# Allegro board gps_interface_boardv53ph.brd (continued)
## Nets (continued)
SFP_TD_P_SFP INTERFACE_SFP6: C255.2 J21.18 R226.2 R228.1
SPARE_BNC_CONN_0: IC2.2 P1.1 R109.1 TP79.1(TP)
SPARE_BNC_CONN_1: IC2.3 P1.3 R108.1 TP78.1(TP)
SPARE_LEMO_CONN_0: IC1.2 P1.5 R105.1 TP77.1(TP)
SPARE_LEMO_CONN_1: IC1.3 P1.7 R104.1 TP76.1(TP)
SPARE_RJ45_CM: C127.1 C128.1 C129.1 J17.P1 R116.1 R117.1 TP27.1(TP)
SQUELCH: R2687.1 U104.27
SS_2V5: C85.1 C2710.1 U12.13 U101.13
SS_3V3_1: C65.1 U9.13
SS_3V3_2: C76.1 U11.13
SS_5V: C57.1 U7.13
SYNC_OUT_N: R16.1 U3.3
SYNC_OUT_P: R15.1 U3.2
TEMP_ADDR: R253.1 U46.5 U46.6 U46.7
THRADJ: C2733.2 R2686.2 U104.9
VP2V5: R58.1 R2667.1 R2668.2 TP763.1(TP) U13.11
VP3V3: R52.2 R53.1 R54.1 U10.11
VP3V5: C49.1 C50.1 C51.1 C60.1 C61.1 C70.1 C71.1 C77.1 C78.1 C2650.1 C2660.1 L6.2 R41.1 TP11.1(TP) U6.1 U9.14 U9.15 U9.16 U9.17 U11.14 U11.15 U11.16 U11.17 U12.14 U12.15 U12.16 U12.17 U101.14 U101.15 U101.16 U101.17
VP5V: C54.1 C55.1 C56.1 C58.2 R45.1 R46.1 R2669.2 TP15.1(TP) U7.1 U7.19 U7.20 U8.11 U8.12(VDD)
VP5V5: C52.1 C53.1 C88.1 R2660.2 TP760.1(TP) U7.14 U7.15 U7.16 U7.17 U100.F3 U100.F4 U100.F5 U100.G3 U100.G4 U100.G5 U100.H3 U100.H4 U100.H5(VOUT_8)
VP12V: C40.1 C42.1 C43.1 C44.1 C87.1 FL1.2 TP9.1(TP) U6.4 U6.5 U6.6 U6.21 U6.22 U6.23(VIN6) U6.25 U100.A1 U100.A4 U100.A5 U100.B4 U100.B5
VREF: C2734.1 U104.3(VREF)
N00534: C1.1 R2.2 R4.1
N00638: C3.1 U1.4
N01450: C2732.1 U104.14
N01454: C2732.2 U104.15
N01590: R9.1 U1.7
N02604: C5.1 R10.2 R265.2 R266.1 U47.1
N02878: R10.1 U47.5
N89867: R21.2 U48.25
N89871: R20.2 U48.4
N89889: R22.2 U48.3
N89893: R19.2 U48.48
N89897: R19.1 R20.1 R21.1 R22.1
N90109: R26.2 U48.19
N90113: R25.2 U48.17
N90529: R23.2 U48.11
N91101: C36.1 U48.59
N91105: C37.1 U48.58
N107878: R24.2 U48.39
N127138: C1.2 U1.3
N140138: C2711.1 L6.1 U6.12 U6.13 U6.14 U6.15 U6.16
N146225: C62.1 C63.1 C64.1 R52.1 TP17.1(TP) U9.1 U9.2(SNS) U9.19 U9.20
N146320: R63.1 U9.6
N146332: R65.1 U9.11
N146446: R64.1 U9.10
N179430: C34.1 U48.51
N179442: C35.1 U48.50
N180853: C34.2 J100.3(SIG)
N180901: C35.2 J101.3(SIG)
N185241: C72.1 C73.1 C75.1 R54.2 U11.1 U11.2(SNS) U11.19 U11.20
N222361: D42.1(K) R2689.1 R2691.1
N222457: D43.2 R2689.2 U106.4(Y)
N222469: D43.1(CATHODE) R2690.1
N224400: J18.2 R166.2 U32.1 U53.16
N224404: J18.8 R167.2 U32.2 U53.15
N224432: J19.2 R187.2 U36.1 U53.20
N224436: J19.8 R188.2 U36.2 U53.19
N224464: J20.2 R208.2 U40.1 U52.7
N224468: J20.8 R209.2 U40.2 U52.6
N224492: J21.2 R229.2 U44.1 U52.11
N224496: J21.8 R230.2 U44.2 U52.10
N245271: D5.2 Q4.2(S)
N245311: D5.1(K) R51.1
N245859: D4.2 Q3.2(S)
N245899: D4.1(K) R44.1
N246142: D6.2 Q5.2(S)
N246182: D6.1(K) R57.1
N266416: J14.2 R145.2 U28.1 U53.11
N266420: J14.8 R146.2 U28.2 U53.10
N279924: C79.1 C80.1 C83.1 R2668.1 U12.1 U12.2(SNS) U12.19 U12.20
N280018: D7.2 Q6.2(S)
N280022: D7.1(K) R62.1
N304882: C17.1 U6.2
N322365: R70.1 U9.5
N322369: R112.1 U9.7
N322373: R113.1 U9.9
N323562: R114.1 U11.5
N323566: R115.1 U11.6
N323570: R118.1 U11.7
N323574: R255.1 U11.9
N323578: R256.1 U11.10
N323582: R257.1 U11.11
N325169: R259.1 U12.6
N325173: R260.1 U12.7
N325177: R261.1 U12.9
N325181: R262.1 U12.10
N325185: R263.1 U12.11
N325191: R258.1 U12.5
N339027: D2.2 Q1.2(S) R32.1
N339674: D1.1(CATHODE) R32.2 R33.1
N339693: D2.1(K) R34.1
N350589: J15.1 R110.1
N350593: J16.1 R111.1
N351209: J13.2 R124.2 U24.1 U53.7
N351234: J13.8 R125.2 U24.2 U53.6
N352210: J11.1 R106.1
N352214: J12.1 R107.1
N361011: J30.8 R2677.2 U53.4 U105.2
N361478: J30.2 R2676.2 U53.5 U105.1
N361490: U53.9 U104.16 U106.1
N361502: U53.8 U104.22 U106.2
N437368: J17.P6 J17.P7 J17.P8 J17.P9 R254.2
N437754: J17.P12 R43.2
N437768: J17.P13 R39.2
N575036: R93.1 U19.1
N575058: R94.1 U19.2
N575080: R95.1 U19.21
N576735: R81.1 U17.8
N576751: R82.1 U18.8
N635255: D8.2 Q7.2(S)
N635295: D8.1(K) R37.1
N637994: D15.2 Q12.2(S)
N638034: D15.1(CATHODE) R80.1
N638123: Q12.1 U15.4
N638285: R78.2 R79.1 U15.3
N638693: D14.2 Q11.2(S)
N638733: D14.1(K) R74.1
N665913: C123.2 R254.1
N716600: U107.2(VT) U107.3
N717829: C2748.1 U107.10
N717833: C2747.1 U107.9
N727253: C2749.1 C2750.1 L22.1 R2694.2 R2695.2 Y2.6(VDD)
N755066: C277.1 Y1.4
N755111: C276.2 R1540.1 U48.8
N755152: C277.2 R1540.2 U48.9(XB)
N755804: R2670.1 Y1.1
N755834: R1550.2 Y1.2
N755912: L19.1 R1550.1 R2670.2 Y1.6(VDD)
N764207: R2694.1 Y2.1
N764211: R2695.1 Y2.2
N804236: R2640.1 U100.B1
N804492: R2650.1 U100.A2
N808323: C2670.1 C2680.1 C2690.1 R2667.2 U101.1 U101.2(SNS) U101.19 U101.20
N808573: R2661.1 U101.5
N808577: R2662.1 U101.6
N808581: R2663.1 U101.7
N808585: R2664.1 U101.9
N808589: R2665.1 U101.10
N808593: R2666.1 U101.11
N811210: C2711.2 U6.11
N812156: R2669.1 U7.2(SNS)
N812455: C276.1 Y1.5

Pads without a net: J8 C8 C19 C22 C23 D29 D30 D31 D33 D35 G28 G33 G34 H1 H2; U2 1 4 6; U3 1 4 6; U6 27 28 29; U7 5 6 7 9 10 11 12; U8 9; U9 12; U10 2 9; U11 12; U12 12; U13 9; U15 5; U17 6 9; U22 13 16; U26 13 16; U30 13 16; U34 13 16; U38 13 16; U42 13 16; U47 6; U48 5 7 10 20 21 53 54 55 56; U49 7; U52 4 5 8 9 19; U53 13 14 17 18; U101 12; U102 2 3 7

## Via types
v1: diameter 0.914, hole 0.406, TOP to BOTTOM, 1488 vias

## Routing (per net, layer and track width the routed paths; a pad name or vN(x,y) marks a point on that pad's centre or on a via; arc(x,y) is an arc through that point)
12V_FANS: length 18.2
  TOP w1.27: F2.2 17.07,8.76 arc(16.61,9.88) 15.49,10.34 J28.2
  BOTTOM w0.17: C3714.1 C3713.1
  BOTTOM w0.635: J28.2 13.64,10.31 11.5,10.31 C3713.1
  BOTTOM w1.27: J27.2 5.89,127.23 C3712.1 C3715.1
GND_POWER: length 619.7
  TOP w0.165: C2723.1 C2728.2 v1(142.95,66.57) ; R57.2 v1(50.04,109.93) ; U104.17 134.79,67.86 arc(134.34,67.67) 134.16,67.23 C2729.2 C2724.1 133.87,65.07 arc(133.62,65.03) 133.42,64.89 v1(132.99,64.47) ; C271.1 v1(200.69,8.43) ; C2746.2 v1(135.13,87.55) ; R2691.2 v1(129.29,97.28) ; U106.3 v1(145.41,92.23) ; R44.2 v1(15.19,31.37) ; R17.2 v1(46.07,127.8) ; 13.39,48.11 13.38,48.11 U6.18 ; C270.1 v1(215.92,7.42) ; v1(80.24,15.93) 80.1,15.78 arc(79.96,15.69) 79.81,15.66 C108.2 ; U104.7 v1(136.29,74.11) ; v1(136.29,74.11) 136.55,73.85 arc(136.73,73.59) 136.79,73.27 U104.6 ; v1(136.29,74.11) 136.03,73.85 arc(135.85,73.59) 135.79,73.27 U104.8 ; U7.18 12.83,67.49 ; U104.13 137.13,70.06 arc(137.28,70.09) 137.4,70.17 v1(137.54,70.31) 137.03,70.82 arc(136.76,70.99) 136.45,71.06 U104.11 ; C112.2 v1(102.88,36.2) ; U6.9 13.38,43.03 13.39,43.03 ; U9.8 v1(44.25,82.55) ; v1(135.25,62.59) 135.19,62.65 R2688.2 ; R2687.2 v1(145.06,69.14) ; C2727.2 C2731.2 C2722.1 C2726.1 v1(146.91,74.73) ; C119.2 v1(286.46,27.33) ; C113.2 v1(98.4,117.68) ; v1(110.49,72.19) R25.1 ; C18.1 124.91,82.75 arc(125.01,82.73) 125.1,82.68 125.2,82.58 v1(125.35,82.58) ; U9.18 44.25,80.26 ; R26.1 v1(112.01,72.16) ; U6.20 12.38,47.83 arc(12.4,47.93) 12.47,48.03 12.57,48.13 ; U107.14 140.2,91.27 arc(140.35,91.3) 140.48,91.38 v1(140.61,91.52) 140.48,91.65 arc(140.35,91.74) 140.2,91.77 U107.15 ; 13.89,43 13.88,43.01 U6.10 ; v1(130.05,68.33) C2725.1 C2730.2 ; U6.19 12.88,48.15 12.88,48.16 ; C107.2 126.06,22.28 v1(126.24,22.1) ; C115.2 v1(280.29,26.19) ; v1(110.17,127.7) R2685.2 110.17,124.41 R2684.2 ; U6.8 12.88,42.63 12.88,42.62 ; U6.24 10.38,46.71 arc(10.35,46.54) 10.25,46.39 v1(10.09,46.23) ; C2733.1 v1(132.77,74.32) ; v1(138.96,66.47) 138.96,66.67 arc(138.94,66.77) 138.89,66.85 138.87,66.87 arc(138.81,66.96) 138.79,67.05 U104.23 ; 13.87,48.11 13.88,48.09 U6.17 ; U6.3 10.38,42.92 arc(10.36,42.83) 10.31,42.74 10.21,42.65 ; C2743.2 v1(140.97,95.45) ; U107.6 135.89,91.77 arc(135.75,91.74) 135.62,91.65 v1(135.48,91.52) 135.62,91.38 arc(135.75,91.3) 135.89,91.27 U107.7 ; C2734.2 v1(139.65,75.2) ; U11.8 44.22,99.87 ; C2742.1 v1(133.63,87.53) ; C272.1 v1(23.95,90.42) ; U105.3 v1(120.74,121.93) ; U7.8 12.83,72.24 ; 136.25,8.76 C100.2 ; C2745.2 v1(135.13,95.45) ; R14.2 v1(11.76,126.44) ; R2686.1 v1(133.73,74.02) ; C2739.1 v1(142.49,95.45) ; R18.2 v1(38.27,127.6) ; C2744.2 v1(140.97,87.55) ; U12.8 44.27,67.01 ; U12.18 44.27,62.26 ; U101.8 44.27,49 ; C2741.1 v1(133.63,95.45) ; C2740.1 v1(142.49,87.55) ; U6.7 12.38,43.02 arc(12.41,42.87) 12.49,42.75 12.62,42.62
  TOP w0.17: R207.2 v1(191.74,87.27) ; R189.2 v1(214.05,80.14) ; v1(239.88,83.13) 239.75,83.27 arc(239.63,83.35) 239.48,83.37 U30.9 ; U34.9 210.27,83.37 arc(210.42,83.35) 210.54,83.27 v1(210.67,83.13) ; U22.9 283.86,83.27 arc(284,83.24) 284.12,83.16 v1(284.25,83.03) ; U38.9 187.97,83.37 arc(188.11,83.35) 188.23,83.27 v1(188.37,83.13) ; U42.9 165.85,83.37 arc(165.99,83.35) 166.11,83.27 v1(166.24,83.13) ; R231.2 v1(169.62,80.14) ; U26.9 261.79,83.37 arc(261.93,83.35) 262.05,83.27 v1(262.18,83.13) ; R147.2 v1(265.56,80.14) ; R186.2 v1(214.05,87.27) ; R165.2 v1(243.26,87.27) ; R144.2 v1(265.56,87.27) ; R228.2 v1(169.62,87.27) ; R123.2 v1(287.63,87.17) ; R210.2 v1(191.74,80.14) ; R168.2 v1(243.26,80.14) ; R126.2 v1(287.63,80.04)
  TOP w0.203: v1(24.66,59.49) 24.86,59.68 arc(24.98,59.87) 25.03,60.09 U8.4 ; J14.11 v1(258.42,112.08) ; U52.12 v1(205.59,19.79) ; v1(207.67,118.54) 207.89,118.76 arc(208.03,118.97) 208.07,119.21 J19.9 ; v1(110.72,36.55) 111.04,36.23 arc(111.26,35.9) 111.33,35.52 U17.7 ; J30.17 138.81,112.92 arc(138.89,113.31) 139.11,113.64 v1(139.47,114) ; R264.2 v1(68.21,137.92) ; J18.20 v1(244.86,112.08) ; R267.2 v1(14.69,136.02) ; R79.2 v1(84.84,6.07) ; J18.1 v1(244.47,120.28) ; J20.14 187.77,112.85 arc(187.7,113.24) 187.48,113.57 187.05,114 v1(187.01,114) ; J18.9 237.31,119.21 arc(237.26,118.97) 237.12,118.76 v1(236.91,118.54) ; v1(242.37,114) 242.01,113.64 arc(241.79,113.31) 241.71,112.92 J18.17 ; J19.20 v1(215.62,112.08) ; J21.20 v1(171.2,112.08) ; R72.1 65.97,12.6 arc(65.83,12.62) 65.72,12.7 65.7,12.73 arc(65.58,12.8) 65.45,12.83 v1(65.1,12.83) ; R248.2 212.66,12.94 arc(212.42,12.89) 212.22,12.75 v1(211.96,12.5) ; J13.9 281.68,119.26 arc(281.63,119.02) 281.5,118.81 v1(281.28,118.59) ; J20.11 v1(184.58,112.08) ; U13.4 v1(56.47,54.05) ; J14.9 259.61,119.21 arc(259.56,118.97) 259.42,118.76 v1(259.21,118.54) ; J19.17 212.47,112.92 arc(212.55,113.31) 212.77,113.64 v1(213.13,114) ; U6.30 8.52,45.32 arc(8.37,45.35) 8.23,45.44 8.05,45.62 ; R13.2 v1(20.65,127.52) ; v1(57.51,54.08) 57.22,54.36 arc(57.04,54.64) 56.97,54.97 U13.5 ; J21.11 v1(162.46,112.08) ; v1(62.12,137.03) 62.39,136.76 arc(62.57,136.49) 62.63,136.18 U47.3 ; R104.2 v1(285.38,15.91) ; J21.10 v1(162.1,120.28) ; J13.17 286.08,112.97 arc(286.16,113.36) 286.38,113.69 v1(286.74,114.05) ; J13.14 283.68,112.9 arc(283.61,113.29) 283.39,113.62 282.96,114.05 v1(282.92,114.05) ; R49.1 v1(22.61,59.26) ; R253.2 v1(24.88,88.1) ; R1.2 v1(83.85,129.72) ; J21.17 168.05,112.92 arc(168.13,113.31) 168.35,113.64 v1(168.71,114) ; v1(185.37,118.54) 185.59,118.76 arc(185.72,118.97) 185.77,119.21 J20.9 ; J14.14 261.61,112.85 arc(261.53,113.24) 261.31,113.57 260.88,114 v1(260.85,114) ; R108.2 v1(292.37,15.86) ; v1(66.67,81.05) U10.5 U10.4 66.34,80.55 v1(66.7,80.19) ; J30.10 v1(132.87,120.28) ; J14.1 v1(266.78,120.28) ; C101.2 129.25,9.05 arc(129.31,9.35) 129.48,9.61 v1(130.18,10.3) ; J13.20 v1(289.23,112.13) ; v1(78.59,135.33) 79.14,134.78 arc(79.29,134.56) 79.34,134.31 U1.5 ; v1(108.18,36.17) 107.94,35.93 arc(107.79,35.7) 107.74,35.43 U18.9 ; v1(238.54,114) 238.58,114 239.01,113.57 arc(239.23,113.24) 239.31,112.85 J18.14 ; R268.2 v1(41.01,137.08) ; U15.2 v1(88.49,4.55) ; J13.1 v1(288.85,120.33) ; J13.11 v1(280.49,112.13) ; J14.17 264.01,112.92 arc(264.09,113.31) 264.31,113.64 v1(264.67,114) ; R105.2 v1(280.78,15.86) ; v1(190.83,114) 190.47,113.64 arc(190.25,113.31) 190.17,112.92 J20.17 ; J18.11 v1(236.12,112.08) ; J20.1 v1(192.94,120.28) ; v1(209.31,114) 209.35,114 209.78,113.57 arc(210,113.24) 210.07,112.85 J19.14 ; R249.2 v1(225.35,10.62) ; v1(137.79,10.3) 136.25,8.76 ; J30.20 v1(141.96,112.08) ; J13.10 v1(280.14,120.33) ; J19.11 v1(206.88,112.08) ; J21.14 165.65,112.85 arc(165.57,113.24) 165.35,113.57 164.92,114 v1(164.88,114) ; U53.12 v1(221.82,19.89) ; R9.2 v1(75.18,132.6) ; J18.10 v1(235.76,120.28) ; J21.9 163.65,119.21 arc(163.6,118.97) 163.46,118.76 v1(163.25,118.54) ; J30.11 v1(133.22,112.08) ; v1(25.9,59.47) 25.7,59.67 arc(25.57,59.86) 25.53,60.08 U8.5 ; U19.12 91.06,106.74 arc(90.76,106.68) 90.51,106.51 v1(90.25,106.25) ; J19.1 v1(215.24,120.28) ; J14.20 v1(267.16,112.08) ; U46.4 v1(14.35,86.61) ; R71.1 v1(65.38,8.99) ; J21.1 v1(170.81,120.28) ; J20.20 v1(193.32,112.08) ; U49.4 v1(71.82,9.3) ; J19.10 v1(206.53,120.28) ; R250.2 v1(208.69,10.69) ; J30.14 136.41,112.85 arc(136.34,113.24) 136.12,113.57 135.69,114 v1(135.65,114) ; J20.10 v1(184.23,120.28) ; v1(134.01,118.54) 134.23,118.76 arc(134.37,118.97) 134.41,119.21 J30.9 ; R109.2 v1(287.82,15.86) ; J14.10 v1(258.06,120.28) ; J30.1 v1(141.58,120.28) ; R73.1 v1(65.25,15.93)
  TOP w0.254: v1(141.38,71.37) 141.2,71.2 arc(141.04,71.09) 140.86,71.06 U104.30 ; C185.2 v1(264.77,88.37) ; C231.2 v1(191.21,88.37) ; C230.2 v1(190.12,90.85) ; C253.2 v1(168,90.93) ; C208.2 v1(287.05,88.27) ; R128.1 v1(278.59,88.34) ; C162.2 v1(242.57,88.37) ; R191.1 v1(205,88.44) ; R170.1 v1(234.06,88.44) ; U2.5 v1(19.53,130.2) ; C254.2 v1(168.96,88.37) ; R149.1 v1(256.51,88.44) ; C138.2 v1(212.42,92.81) ; C184.2 v1(263.93,90.88) ; U3.5 v1(44.93,130.2) ; C139.2 v1(213.46,88.37) ; R212.1 v1(182.63,88.44) ; R233.1 v1(160.53,88.44) ; C161.2 v1(241.63,91.31) ; C207.2 v1(286.01,90.78)
  TOP w0.305: C106.2 v1(126.06,27.71) ; R39.1 v1(266.57,17.14) ; IC1.4 v1(285.34,22.76) ; U47.4 61.75,134.37 arc(61.46,134.31) 61.21,134.14 v1(60.7,133.63) ; R43.1 v1(233.04,9.86) ; v1(291.85,22.71) 291.35,22.71 291.33,22.73 IC2.4 ; C105.2 125.84,19.35 arc(125.62,19.31) 125.43,19.19 v1(125.22,18.97)
  TOP w0.33: C110.1 v1(102.06,26.82) ; C109.1 v1(116.99,36.42) ; Y2.3 v1(179.04,25.32) ; C111.2 v1(116.92,27.43)
  TOP w0.343: R23.1 102.68,78.97 arc(101.88,78.64) 101.55,77.83 101.55,77.56 arc(101.82,76.9) 102.48,76.63 103.47,76.63 C15.1 C14.1 v1(104.65,75.39)
  TOP w0.508: U100.D2 v1(8.62,20.51) ; U100.F2 v1(12.26,20.51) ; v1(189.23,17.35) C2750.2 C2749.2 ; U100.H1 v1(14.8,19.24) ; U100.D4 v1(8.62,24.15) ; R2650.2 v1(2.84,18.36) ; U100.C1 v1(7.35,19.24) ; U100.E1 v1(10.99,19.24) ; U100.E4 v1(10.99,24.15) ; U100.H2 v1(14.8,20.51) ; U100.E2 v1(10.99,20.51) ; U100.D1 v1(8.62,19.24) ; U100.D3 v1(8.62,22.88) ; U100.F1 v1(12.26,19.24) ; U100.E5 v1(10.99,25.42) ; U100.E3 v1(10.99,22.88) ; U100.G2 v1(13.53,20.51) ; U100.D5 v1(8.62,25.42) ; U100.G1 v1(13.53,19.24) ; U100.C2 v1(7.35,20.51) ; R2640.2 v1(6.12,15.37)
  TOP w0.635: Y1.3 v1(92.3,79.91)
  BOTTOM w0.165: R114.2 49.53,98.42 v1(49.63,98.32) ; R258.2 v1(49.94,65.53) ; C26.1 C24.1 121.81,75.82 arc(121.76,75.55) 121.6,75.32 v1(121.01,74.73) ; R2663.2 v1(44.78,52.78) ; R263.2 v1(38.2,65.58) ; C136.1 v1(287.38,116.03) ; R262.2 v1(42.75,70.51) ; C20.1 C28.1 114.53,87.08 arc(114.55,87.17) 114.59,87.24 v1(115.14,87.78) ; R261.2 v1(43.76,70.48) ; U32.3 v1(234.49,81.66) ; R117.2 v1(241.07,20.55) ; R65.2 v1(38.66,83.57) ; R113.2 v1(43.76,88.09) ; R257.2 v1(38.61,98.4) ; R259.2 v1(45.8,70.51) ; R112.2 v1(44.75,88.11) ; R2665.2 v1(42.75,52.81) ; C128.2 v1(239.67,17.02) ; v1(129.59,74.09) 129.11,74.09 129.09,74.07 C29.2 ; C23.1 118.81,86.96 arc(119.12,87.02) 119.38,87.2 v1(119.74,87.55) ; v1(125.43,79.63) 125.93,79.63 arc(126.31,79.47) 126.47,79.1 C22.2 ; v1(49.68,47.45) 49.58,47.55 R2661.2 ; C135.1 281.99,116.87 ; v1(112.01,72.16) 112.48,72.16 arc(112.79,72.22) 113.06,72.4 C27.1 ; R255.2 v1(43.71,103.68) ; R115.2 v1(45.75,103.68) ; C127.2 v1(238.1,17.02) ; R70.2 v1(49.76,83.54) ; R256.2 v1(42.7,103.68) ; R196.2 v1(204.17,76.33) ; R64.2 v1(42.75,88.09) ; v1(119.17,72.86) C19.1 C25.1 ; R2662.2 v1(45.8,52.81) ; U36.3 v1(205.28,81.66) ; R260.2 v1(44.78,70.51) ; U40.3 v1(182.98,81.66) ; R2666.2 v1(38.66,47.52) ; R175.2 v1(234,75.55) ; C129.2 v1(236.45,17.02) ; U24.3 v1(278.87,81.56) ; C3714.2 C3713.2 ; C182.1 243.1,116.87 ; R2664.2 v1(43.76,52.81) ; R63.2 v1(45.75,88.11) ; R118.2 v1(44.73,103.66)
  BOTTOM w0.203: R93.2 v1(87.71,116.48) ; C225.2 v1(195.43,99.62) ; C251.1 v1(169.44,115.82) ; C2713.2 144.07,99.82 arc(144.1,99.64) 144.21,99.48 v1(144.37,99.31) ; C134.1 276.93,104.06 arc(276.99,104.38) 277.17,104.65 v1(277.44,104.93) ; U28.3 255.82,81.64 v1(256.95,81.64) ; C203.1 v1(203.34,104.93) ; C250.1 v1(163.96,115.82) ; C84.1 v1(58.83,58.6) ; R237.2 v1(158.38,106.74) ; C156.2 v1(269.24,99.06) ; C74.2 v1(66.29,77.62) ; R110.2 v1(301.42,17.55) ; v1(92,14.99) 92,15.3 arc(91.95,15.56) 91.8,15.78 R80.2 ; C2712.2 v1(131.5,99.19) ; C69.1 57.39,77.6 arc(57.07,77.53) 56.81,77.36 v1(56.54,77.09) ; C157.1 v1(254.85,104.95) ; v1(247.75,25.91) 247,26.66 247,27.09 arc(246.96,27.3) 246.85,27.47 246.82,27.5 arc(246.64,27.62) 246.44,27.66 U5.2 ; v1(265.41,115.82) 265.41,116.87 C159.1 ; C183.1 248.68,104.16 arc(248.61,104.51) 248.41,104.81 v1(248.11,105.11) ; C17.2 v1(10.03,37.31) ; v1(130.48,104.88) 129.93,104.32 arc(129.75,104.05) 129.68,103.74 C2717.1 ; C2714.1 v1(134.72,115.82) ; v1(218.29,98.5) 218.29,99.16 218.23,99.22 218.23,99.92 arc(218.17,100.23) 217.99,100.5 C201.2 ; v1(191.57,115.82) 191.57,116.87 C228.1 ; R95.2 103.71,111.91 arc(103.87,111.95) 104.01,112.04 v1(104.17,112.19) ; C226.1 181.04,104.15 arc(181.11,104.48) 181.3,104.77 v1(181.58,105.05) ; C160.1 v1(270.98,105.23) ; C2718.1 v1(140.21,115.82) ; R154.2 v1(254.2,75.08) ; R195.2 v1(202.81,106.77) ; C206.1 v1(219.47,105.21) ; v1(21.06,59.31) 21.06,59.92 arc(21.29,60.48) 21.84,60.7 C59.2 ; R238.2 v1(162.41,76.33) ; v1(237.62,115.82) 237.62,116.87 C181.1 ; v1(159.72,104.88) 159.16,104.32 arc(158.98,104.05) 158.92,103.74 C249.1 ; C224.2 v1(182.86,99.19) ; R174.2 v1(232.04,106.79) ; R216.2 v1(180.5,106.69) ; R132.2 v1(276.41,106.64) ; C179.2 v1(246.94,99.34) ; C252.1 v1(175.04,105.28) ; C132.2 v1(291.31,99.52) ; C3.2 v1(78.85,138.51) ; U44.3 159.96,81.56 v1(160.71,81.56) ; C2719.1 v1(145.81,105.28) ; C58.1 v1(28.04,64.85) ; R4.2 v1(83.87,137.59) ; C248.2 173.3,99.82 arc(173.34,99.64) 173.44,99.48 v1(173.61,99.31) ; v1(213.87,115.82) 213.87,116.89 C205.1 ; R62.2 v1(56.88,74.46) ; v1(208.38,115.82) 208.38,116.84 C204.1 ; C247.2 v1(160.73,99.19) ; v1(54.79,53.77) 54.35,54.21 arc(54.13,54.54) 54.05,54.93 C86.2 ; v1(186.08,115.82) 186.08,116.92 C227.1 ; C180.1 v1(232.55,104.98) ; R133.2 v1(276.28,74.98) ; R74.2 v1(86.01,18.03) ; R217.2 v1(184.53,76.33) ; R33.2 v1(100.7,66.04) ; R153.2 v1(254.34,106.74) ; R34.2 v1(100.7,70.38) ; C158.1 259.92,116.87 v1(259.92,115.82) ; R94.2 v1(87.71,113.72) ; C178.2 v1(234.37,99.19) ; C133.2 v1(278.74,99.29) ; C229.1 v1(197.16,105.23) ; C202.2 v1(205.16,99.19) ; C123.1 v1(262.83,20.08) ; C137.1 293.05,104.31 arc(292.99,104.61) 292.82,104.87 v1(292.56,105.13) ; 243.1,116.87 v1(243.1,115.82) ; R47.2 v1(13.41,75.16) ; C155.2 v1(256.67,99.19) ; R2690.2 v1(129.15,106.74) ; 281.99,116.87 v1(281.99,115.87)
  BOTTOM w0.305: C98.2 116.89,17.37 arc(116.54,17.3) 116.24,17.1 v1(115.93,16.79) ; v1(61.44,129.49) 61.79,129.84 arc(62.01,130.18) 62.09,130.58 C6.2 ; v1(126.24,22.1) 126.69,22.1 arc(126.97,21.98) 127.09,21.7 C97.2 ; v1(73.48,17.65) 73.93,17.2 arc(74.33,16.93) 74.81,16.84 C102.2 ; R37.2 v1(101.31,100.13) ; C11.1 v1(45.83,137.13) ; C103.2 74.54,9.27 arc(74.17,9.2) 73.86,8.99 v1(73.53,8.66) ; C117.2 280.05,14.12 arc(279.61,14.31) 279.43,14.75 v1(279.43,15.44) ; C8.2 v1(84.81,132.15) ; C116.2 v1(278.26,15.9) ; C13.2 v1(96.57,70.41) ; C5.2 v1(60.11,134.24) ; C99.2 117.22,20.65 arc(116.63,20.77) 116.14,21.1 v1(115.62,21.62) ; C104.2 74.76,12.7 arc(74.39,12.63) 74.07,12.41 v1(73.74,12.08) ; R51.2 v1(26.95,78.51) ; R106.2 v1(271.17,17.45) ; C9.2 v1(89.41,133.32) ; C16.2 v1(93.22,65) ; C7.2 v1(88.8,132.11) ; C10.1 v1(23.77,136.83)
  BOTTOM w0.33: J8.G20 153.03,11.16 arc(153.28,10.56) 153.88,10.31 156.01,10.31 ; v1(166.22,15.11) 166.22,14.58 arc(166.3,14.16) 166.54,13.8 J8.H9 ; v1(162.41,15.11) 162.41,14.58 arc(162.49,14.16) 162.73,13.8 J8.H12 ; J8.G4 J8.G5 ; J8.D2 J8.D3
  BOTTOM w0.343: v1(23.01,133.93) C12.1
  BOTTOM w0.381: 177.16,12.06 177.16,10.85 v1(176.23,9.91) ; v1(140.34,15.1) J8.H30 141.97,11.7 arc(142.15,11.43) 142.21,11.11 142.21,11.03 arc(142.28,10.71) 142.46,10.43 v1(142.88,10.02) J8.D28 J8.C28 v1(142.88,5.22) ; v1(173.35,5.22) J8.C4 J8.D3 ; J8.C12 v1(163.19,5.22) ; J8.G20 151.76,13.34 v1(151.76,15.1) ; J8.C36 v1(132.72,6.07) ; v1(137.79,10.3) J8.G32 J8.H33 v1(136.53,15.1) ; v1(155.57,15.1) J8.H18 J8.G17 156.84,11.15 arc(156.6,10.56) 156.01,10.31 ; v1(160.66,10.3) J8.G14 159.38,13.34 v1(159.38,15.1) ; J8.C17 v1(156.84,5.22) ; J8.D10 J8.C9 v1(167,5.22) ; v1(133.99,10.3) J8.G35 J8.H36 v1(132.72,15.1) ; v1(128.91,15.1) J8.H39 J8.G38 v1(130.18,10.3) ; J8.C33 v1(136.53,5.75) ; J8.G8 J8.H9 ; J8.G40 v1(126.71,12.06) ; J8.G5 J8.H6 v1(170.81,15.1) ; 169.54,8.26 J8.D6 J8.C5 v1(172.09,5.22) ; v1(135.25,5.75) J8.C34 J8.D34 ; J8.G23 J8.H24 v1(147.96,15.1) ; v1(177.16,5.22) 177.16,6.99 J8.D2 ; v1(151.76,5.22) 151.76,6.99 J8.D22 v1(150.5,10.02) ; J8.D39 J8.C40 v1(126.94,6.29) ; v1(130.18,6.2) J8.C38 J8.D37 ; J8.G11 J8.H12 ; J8.D19 J8.C20 v1(153.03,5.22) ; v1(146.69,5.22) J8.C25 J8.D25 v1(146.69,10.02) ; v1(173.35,10.3) J8.G4 J8.H3 ; J8.C32 v1(137.79,5.75) ; J8.G26 J8.H27 v1(144.15,15.1) ; J8.C24 v1(147.96,5.22) ; 141.6,6.99 v1(141.6,5.22) ; v1(161.93,5.22) J8.C13 J8.D13 ; v1(158.12,5.22) J8.C16 J8.D16 v1(158.12,10.02)
  BOTTOM w0.635: J28.3 13.64,7.77 arc(12.67,7.37) 11.71,7.77 C3713.2
  BOTTOM w1.016: R36.2 4.47,48.38 4.42,48.32 v1(3.47,48.32)
  BOTTOM w1.27: C3715.2 C3712.2 6,125.5 J27.3
  vias: v1(3.32,36.09) v1(3.55,55.42) v1(3.71,52.91) v1(3.66,51.56) v1(3.66,50.19) v1(3.71,39.7) v1(3.71,38.33) v1(3.76,41.05) v1(4.24,36.09) v1(4.47,55.42) v1(4.8,52.91) v1(4.78,51.59) v1(4.8,50.19) v1(4.83,39.73) v1(4.85,41.05) v1(4.85,38.33) v1(5.18,36.07) v1(5.33,73.43) v1(5.41,55.4) v1(5.94,52.91) v1(5.99,51.64) v1(5.99,50.19) v1(5.99,41.05) v1(6.05,39.78) v1(6.05,38.33) v1(6.25,73.43) v1(6.78,60.52) v1(7.19,73.41) v1(7.69,60.53) v1(8.15,36.11) v1(8.38,55.44) v1(8.63,60.5) v1(9.07,36.12) v1(9.29,55.45) v1(10.01,36.1) v1(10.09,44.91) v1(10.23,55.42) v1(11.61,60.55) v1(11.63,46.23) v1(11.63,44.91) v1(12.19,70.41) v1(12.19,69.14) v1(12.52,60.55) v1(12.83,69.77) v1(13,36.11) v1(13.23,55.44) v1(13.18,46.23) v1(13.18,44.91) v1(13.46,70.41) v1(13.46,69.14) v1(13.46,60.53) v1(13.92,36.12) v1(14.15,55.45) v1(14.86,36.1) v1(15.09,55.42) v1(16.46,60.55) v1(17.37,60.55) v1(18.06,73.43) v1(18.31,60.53) v1(18.31,56.11) v1(18.26,54.76) v1(18.26,53.39) v1(18.44,37.77) v1(18.39,36.42) v1(18.39,35.05) v1(18.97,73.43) v1(19.41,56.11) v1(19.38,54.79) v1(19.41,53.39) v1(19.53,37.77) v1(19.51,36.45) v1(19.53,35.05) v1(19.91,73.41) v1(20.55,56.11) v1(20.6,54.84) v1(20.6,53.39) v1(20.68,37.77) v1(20.73,36.5) v1(20.73,35.05) v1(20.73,31.45) v1(20.68,30.1) v1(20.68,28.73) v1(21.82,31.45) v1(21.79,30.12) v1(21.82,28.73) v1(22.96,31.45) v1(23.01,30.18) v1(23.01,28.73) v1(24.21,31.47) v1(24.16,30.12) v1(24.16,28.75) v1(25.1,62.51) v1(25.07,61.67) v1(25.3,31.47) v1(25.27,30.15) v1(25.3,28.75) v1(25.98,62.51) v1(25.96,61.67) v1(26.44,31.47) v1(26.49,30.2) v1(26.49,28.75) v1(36.53,40.13) v1(36.75,101.06) v1(36.83,68.12) v1(36.78,57.58) v1(36.8,50.19) v1(37.59,40.13) v1(37.67,101.07) v1(37.74,68.12) v1(37.72,50.19) v1(37.85,57.58) v1(38.15,73.3) v1(38.35,87.73) v1(38.61,101.04) v1(38.68,68.1) v1(38.66,50.17) v1(38.66,40.13) v1(38.91,57.58) v1(39.06,73.3) v1(39.27,87.73) v1(39.73,40.13) v1(40,73.28) v1(39.98,57.58) v1(40.21,87.71) v1(40.79,40.13) v1(41.05,57.58) v1(41.86,40.13) v1(42.11,57.58) v1(42.93,40.13) v1(42.97,73.32) v1(43.18,57.58) v1(43.59,98.04) v1(43.59,96.77) v1(43.61,83.19) v1(43.61,81.92) v1(43.64,65.18) v1(43.64,63.91) v1(43.64,47.17) v1(43.64,45.9) v1(43.89,73.33) v1(43.99,40.13) v1(44.22,97.41) v1(44.25,57.58) v1(44.27,64.54) v1(44.27,46.53) v1(44.83,73.31) v1(44.86,98.04) v1(44.86,96.77) v1(44.88,83.19) v1(44.88,81.92) v1(44.91,65.18) v1(44.91,63.91) v1(44.91,47.17) v1(44.91,45.9) v1(44.86,28.78) v1(45.06,40.13) v1(46.13,40.13) v1(47.19,40.13) v1(47.83,73.32) v1(48.03,87.75) v1(48.26,40.13) v1(48.74,73.33) v1(48.94,87.76) v1(49.33,40.13) v1(49.48,101.06) v1(49.53,50.19) v1(49.68,73.31) v1(49.71,68.19) v1(49.88,87.73) v1(50.39,101.07) v1(50.39,40.13) v1(50.62,68.2) v1(51.33,101.04) v1(51.46,40.13) v1(51.56,68.18) v1(56.97,56.85) v1(57.28,97.33) v1(57.51,79.55) v1(58.42,97.33) v1(58.65,79.55) v1(59.61,97.33) v1(59.84,79.55) v1(63.58,81.48) v1(63.55,80.64) v1(64.44,80.64) v1(64.47,81.48) v1(76.53,127.18) v1(78.94,132.99) v1(78.94,132.16) v1(79.27,127.41) v1(80.11,132.99) v1(80.09,132.16) v1(81.23,132.16) v1(81.25,132.99) v1(96.24,54.2) v1(97.96,90.35) v1(98.78,87.07) v1(99.64,53.06) v1(100.61,85.6) v1(101.07,11.96) v1(102.69,42.01) v1(103.61,12.06) v1(105.69,41.02) v1(108.92,96.04) v1(110.46,11.2) v1(111.51,38.13) v1(112.19,53.16) v1(112.57,9.25) v1(112.85,81.58) v1(112.88,80.44) v1(112.85,79.3) v1(112.88,78.16) v1(113.44,40.59) v1(114.1,81.61) v1(114.12,80.47) v1(114.1,79.32) v1(114.12,78.18) v1(114.73,53.7) v1(115.03,101.19) v1(115.03,98.24) v1(115.32,81.61) v1(115.34,80.47) v1(115.32,79.32) v1(115.34,78.18) v1(116.64,81.61) v1(116.64,79.32) v1(116.61,55.45) v1(116.66,80.47) v1(116.66,78.18) v1(118.41,57.51) v1(119.76,63.02) v1(120.47,59.51) v1(121.22,101.19) v1(121.22,98.24) v1(122.48,61.09) v1(122.68,42.19) v1(125.2,62.61) v1(126.26,42.19) v1(136.07,78.97) v1(136.32,86.06) v1(138.05,91.52) v1(138.76,86.06) v1(138.96,79.02) v1(146.69,65.02) v1(150.11,72.06) v1(150.14,68.53) v1(150.65,49.58) v1(162.26,79.2) v1(162.92,93.4) v1(163.86,84.12) v1(165.56,80.31) v1(165.99,93.34) v1(170.51,25.55) v1(172.09,25.55) v1(174.55,29.87) v1(176.66,43.23) v1(177.77,29.79) v1(180.01,43.89) v1(180.29,58.04) v1(180.29,55.88) v1(181.91,96.75) v1(184.43,79.17) v1(184.89,96.65) v1(185.98,84.12) v1(186.82,36.04) v1(187.66,80.62) v1(188.29,57.94) v1(188.29,55.83) v1(188.59,44.53) v1(189.15,36.07) v1(192.74,44.4) v1(193.29,64.87) v1(193.4,62.97) v1(194.18,67.44) v1(194.89,61.04) v1(195.88,70.43) v1(196.7,65.02) v1(196.98,67.72) v1(200.81,21.56) v1(203.15,55.75) v1(203.25,58.19) v1(206.32,32.31) v1(206.76,79.12) v1(207.09,95.07) v1(207.42,32.31) v1(208.28,84.12) v1(208.51,32.31) v1(209.6,32.31) v1(209.88,94.69) v1(209.96,80.62) v1(216.53,32.99) v1(218.01,29.97) v1(219,17.17) v1(220.5,36.53) v1(222.4,31.57) v1(227.86,31.57) v1(229.08,31.6) v1(231.04,18.85) v1(233.78,20.83) v1(234.62,58.22) v1(234.59,56.03) v1(236.07,78.97) v1(237.01,94.95) v1(237.49,84.12) v1(238.84,78.92) v1(239.24,94.95) v1(244.88,25.6) v1(247.73,23.8) v1(250.57,25.65) v1(258.44,79.02) v1(259.51,98.37) v1(259.79,84.12) v1(260.99,66.88) v1(261.01,64.59) v1(261.09,78.89) v1(262.08,98.32) v1(275.87,63.09) v1(276.33,65.84) v1(280.54,78.89) v1(281.61,95.05) v1(281.86,84.02) v1(283.06,78.82) v1(283.74,94.95) v1(287.3,35.18) v1(292.91,35.23)
